# KiCad board alu_c.kicad_pcb
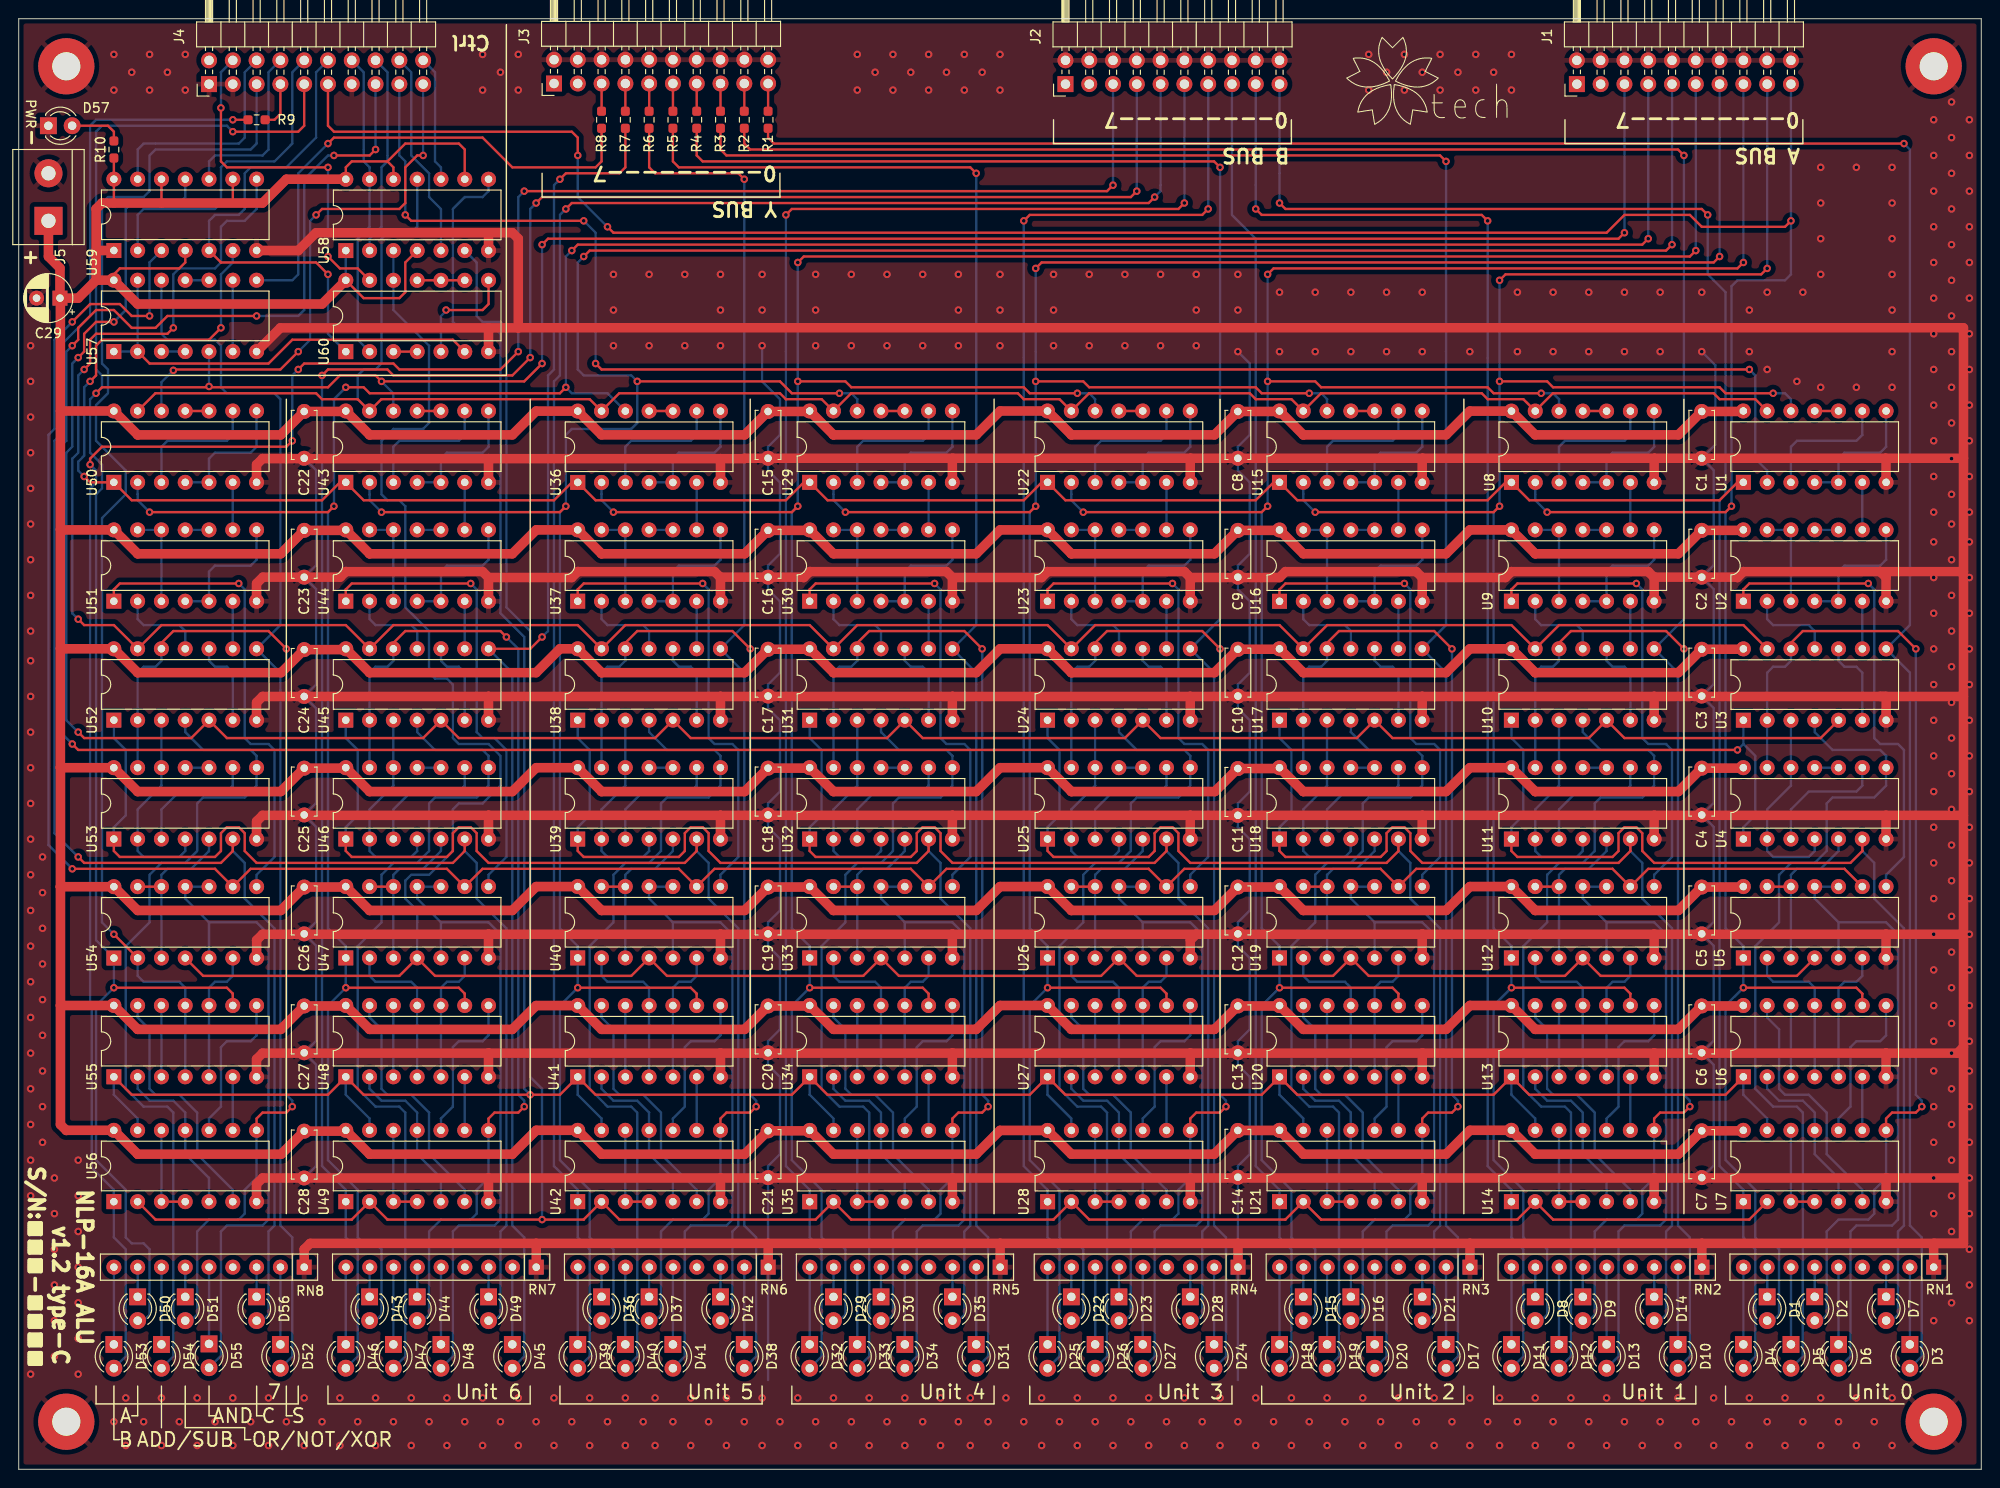
[diagram p0: board, top side]
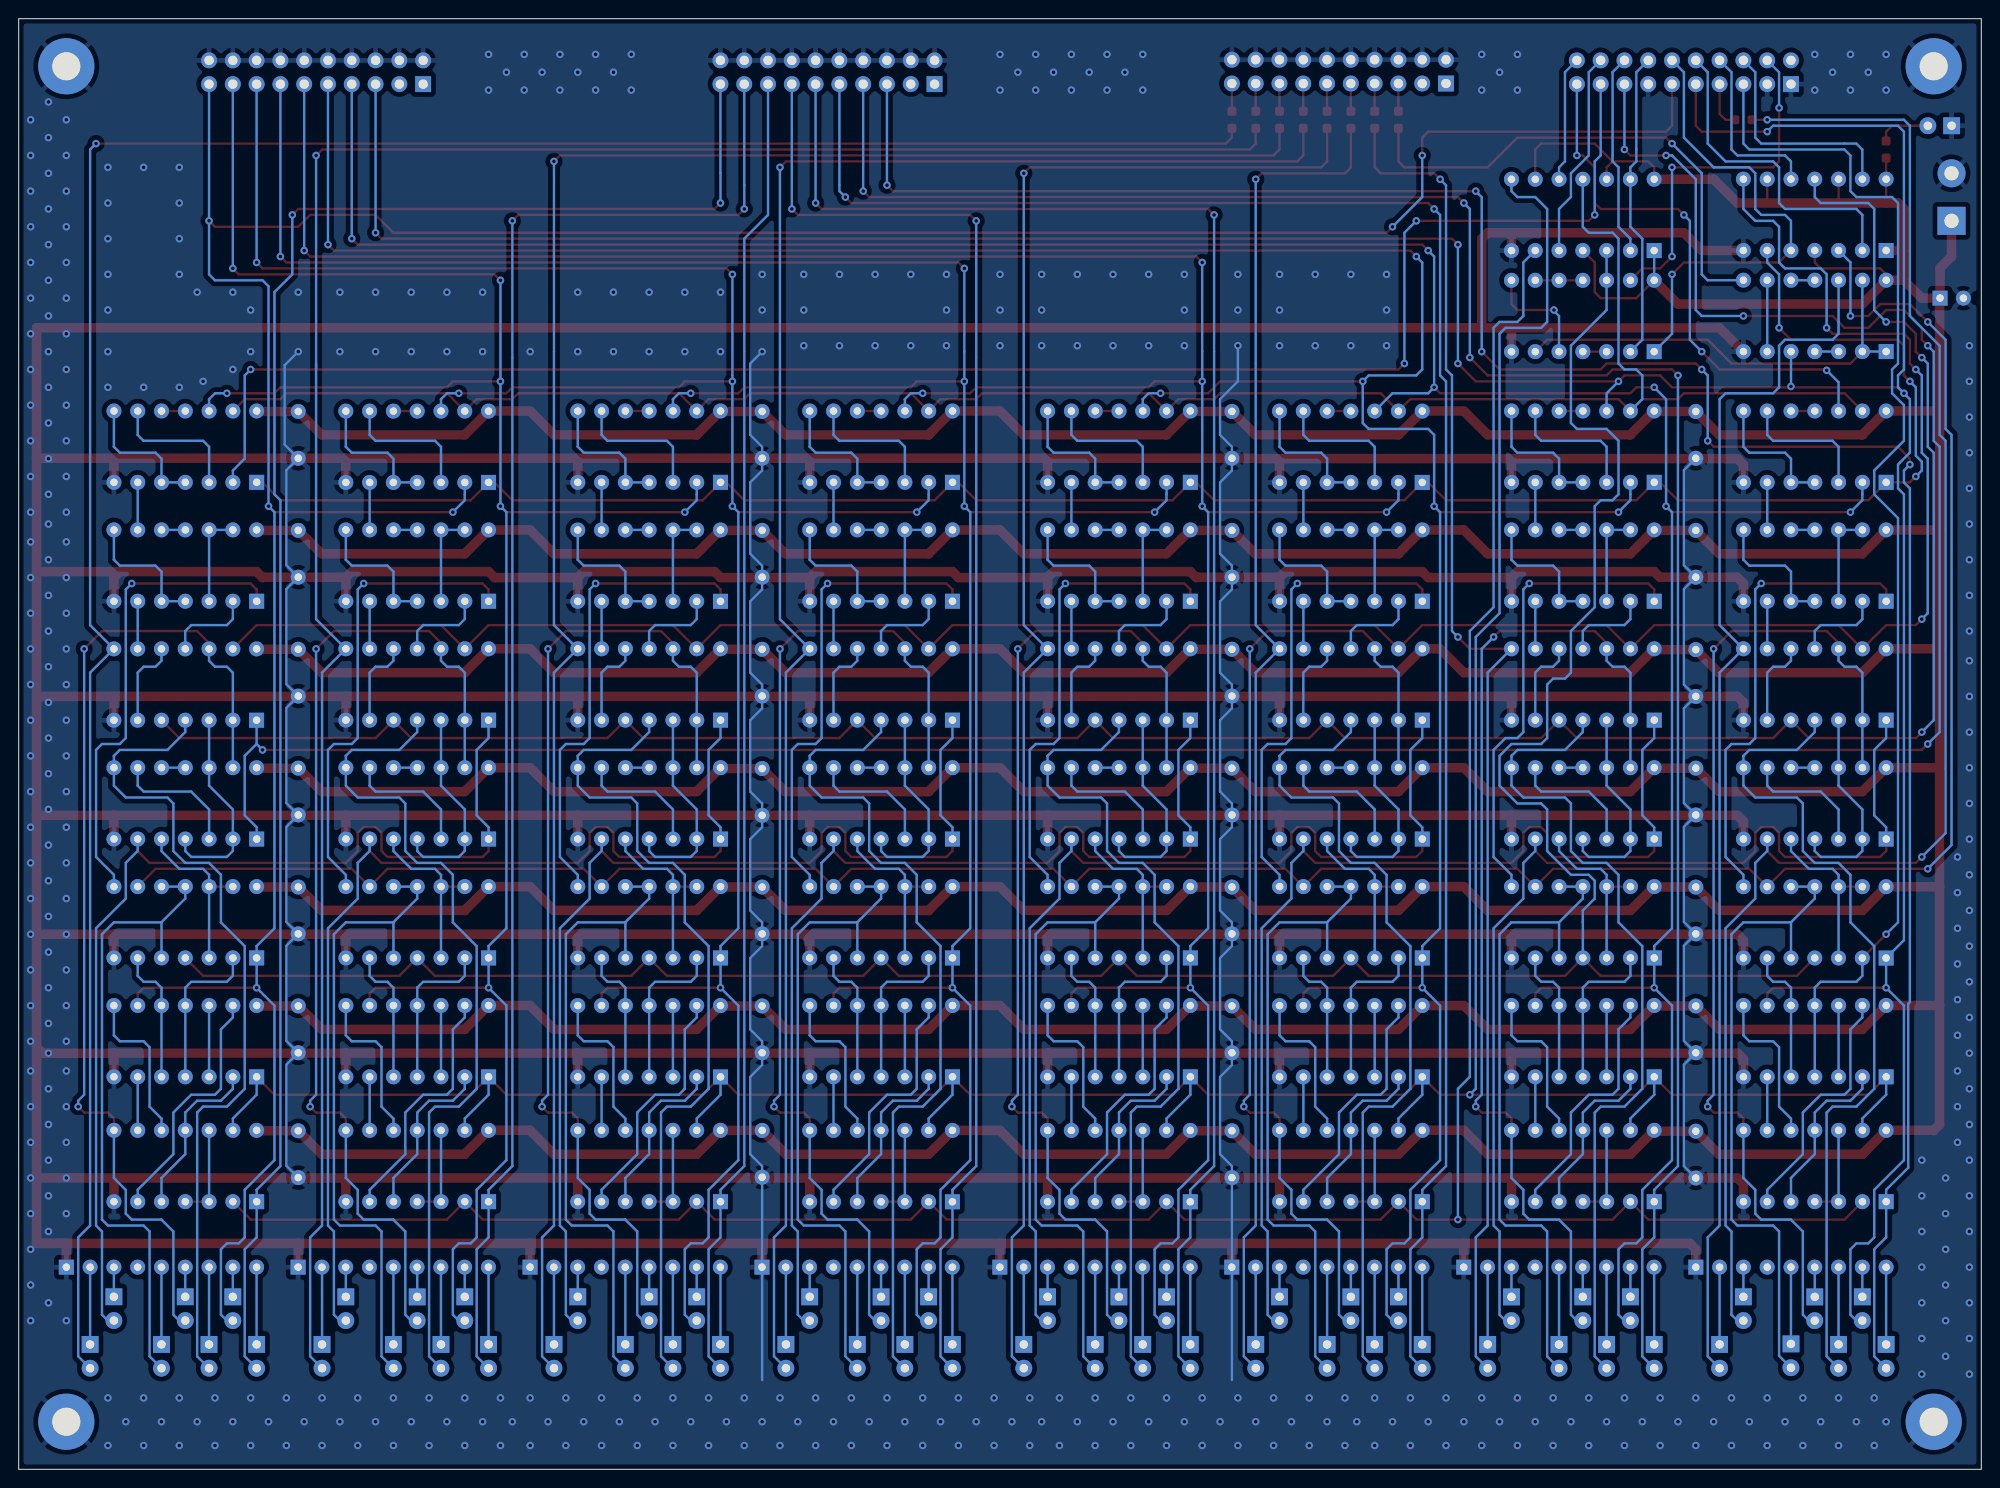
[diagram p1: board, bottom side, seen from below]

Outline 209.55 x 154.94 mm; copper layers: Top, Bottom. Coordinates in mm from the lower left corner of the outline.
Outline path: 0,154.94 0,0 209.55,0 209.55,154.94 0,154.94
Stack: Top 0.035mm / dielectric 1.51mm FR4 er 4.5 / Bottom 0.035mm

## Placement (name value [footprint] x y rotation side)
C1  0.1u  [C_Disc_D5.0mm_W2.5mm_P5.00mm]  179.7 107.99 90 top
C2  0.1u  [C_Disc_D5.0mm_W2.5mm_P5.00mm]  179.7 95.29 90 top
C3  0.1u  [C_Disc_D5.0mm_W2.5mm_P5.00mm]  179.7 82.59 90 top
C4  0.1u  [C_Disc_D5.0mm_W2.5mm_P5.00mm]  179.7 69.89 90 top
C5  0.1u  [C_Disc_D5.0mm_W2.5mm_P5.00mm]  179.7 57.19 90 top
C6  0.1u  [C_Disc_D5.0mm_W2.5mm_P5.00mm]  179.7 44.49 90 top
C7  0.1u  [C_Disc_D5.0mm_W2.5mm_P5.00mm]  179.7 31.16 90 top
C8  0.1u  [C_Disc_D5.0mm_W2.5mm_P5.00mm]  130.17 107.99 90 top
C9  0.1u  [C_Disc_D5.0mm_W2.5mm_P5.00mm]  130.17 95.29 90 top
C10  0.1u  [C_Disc_D5.0mm_W2.5mm_P5.00mm]  130.17 82.59 90 top
C11  0.1u  [C_Disc_D5.0mm_W2.5mm_P5.00mm]  130.17 69.85 90 top
C12  0.1u  [C_Disc_D5.0mm_W2.5mm_P5.00mm]  130.17 57.19 90 top
C13  0.1u  [C_Disc_D5.0mm_W2.5mm_P5.00mm]  130.17 44.49 90 top
C14  0.1u  [C_Disc_D5.0mm_W2.5mm_P5.00mm]  130.17 31.19 90 top
C15  0.1u  [C_Disc_D5.0mm_W2.5mm_P5.00mm]  80.01 107.99 90 top
C16  0.1u  [C_Disc_D5.0mm_W2.5mm_P5.00mm]  80.01 95.29 90 top
C17  0.1u  [C_Disc_D5.0mm_W2.5mm_P5.00mm]  80.01 82.59 90 top
C18  0.1u  [C_Disc_D5.0mm_W2.5mm_P5.00mm]  80.01 69.89 90 top
C19  0.1u  [C_Disc_D5.0mm_W2.5mm_P5.00mm]  80.01 57.19 90 top
C20  0.1u  [C_Disc_D5.0mm_W2.5mm_P5.00mm]  80.01 44.49 90 top
C21  0.1u  [C_Disc_D5.0mm_W2.5mm_P5.00mm]  80.01 31.16 90 top
C22  0.1u  [C_Disc_D5.0mm_W2.5mm_P5.00mm]  30.48 107.99 90 top
C23  0.1u  [C_Disc_D5.0mm_W2.5mm_P5.00mm]  30.48 95.29 90 top
C24  0.1u  [C_Disc_D5.0mm_W2.5mm_P5.00mm]  30.48 82.55 90 top
C25  0.1u  [C_Disc_D5.0mm_W2.5mm_P5.00mm]  30.48 69.89 90 top
C26  0.1u  [C_Disc_D5.0mm_W2.5mm_P5.00mm]  30.48 57.19 90 top
C27  0.1u  [C_Disc_D5.0mm_W2.5mm_P5.00mm]  30.48 44.49 90 top
C28  0.1u  [C_Disc_D5.0mm_W2.5mm_P5.00mm]  30.48 31.12 90 top
C29  100u  [CP_Radial_D5.0mm_P2.50mm]  4.41 125.09 180 top
D1  LED  [LED_D3.0mm]  186.69 18.42 270 top
D2  LED  [LED_D3.0mm]  191.77 18.43 270 top
D3  LED  [LED_D3.0mm]  201.93 13.34 270 top
D4  LED  [LED_D3.0mm]  184.15 13.34 270 top
D5  LED  [LED_D3.0mm]  189.23 13.34 270 top
D6  LED  [LED_D3.0mm]  194.31 13.34 270 top
D7  LED  [LED_D3.0mm]  199.39 18.43 270 top
D8  LED  [LED_D3.0mm]  161.92 18.42 270 top
D9  LED  [LED_D3.0mm]  167 18.41 270 top
D10  LED  [LED_D3.0mm]  177.16 13.34 270 top
D11  LED  [LED_D3.0mm]  159.38 13.34 270 top
D12  LED  [LED_D3.0mm]  164.47 13.34 270 top
D13  LED  [LED_D3.0mm]  169.54 13.34 270 top
D14  LED  [LED_D3.0mm]  174.62 18.42 270 top
D15  LED  [LED_D3.0mm]  137.16 18.42 270 top
D16  LED  [LED_D3.0mm]  142.24 18.42 270 top
D17  LED  [LED_D3.0mm]  152.4 13.34 270 top
D18  LED  [LED_D3.0mm]  134.62 13.34 270 top
D19  LED  [LED_D3.0mm]  139.7 13.34 270 top
D20  LED  [LED_D3.0mm]  144.78 13.34 270 top
D21  LED  [LED_D3.0mm]  149.86 18.42 270 top
D22  LED  [LED_D3.0mm]  112.39 18.42 270 top
D23  LED  [LED_D3.0mm]  117.47 18.41 270 top
D24  LED  [LED_D3.0mm]  127.63 13.34 270 top
D25  LED  [LED_D3.0mm]  109.85 13.34 270 top
D26  LED  [LED_D3.0mm]  114.94 13.34 270 top
D27  LED  [LED_D3.0mm]  120.01 13.34 270 top
D28  LED  [LED_D3.0mm]  125.09 18.42 270 top
D29  LED  [LED_D3.0mm]  87 18.41 270 top
D30  LED  [LED_D3.0mm]  92.07 18.41 270 top
D31  LED  [LED_D3.0mm]  102.23 13.34 270 top
D32  LED  [LED_D3.0mm]  84.46 13.34 270 top
D33  LED  [LED_D3.0mm]  89.53 13.34 270 top
D34  LED  [LED_D3.0mm]  94.61 13.34 270 top
D35  LED  [LED_D3.0mm]  99.69 18.42 270 top
D36  LED  [LED_D3.0mm]  62.23 18.42 270 top
D37  LED  [LED_D3.0mm]  67.31 18.41 270 top
D38  LED  [LED_D3.0mm]  77.47 13.34 270 top
D39  LED  [LED_D3.0mm]  59.69 13.34 270 top
D40  LED  [LED_D3.0mm]  64.77 13.34 270 top
D41  LED  [LED_D3.0mm]  69.85 13.34 270 top
D42  LED  [LED_D3.0mm]  74.93 18.42 270 top
D43  LED  [LED_D3.0mm]  37.46 18.42 270 top
D44  LED  [LED_D3.0mm]  42.54 18.42 270 top
D45  LED  [LED_D3.0mm]  52.71 13.34 270 top
D46  LED  [LED_D3.0mm]  34.93 13.34 270 top
D47  LED  [LED_D3.0mm]  40.01 13.34 270 top
D48  LED  [LED_D3.0mm]  45.09 13.34 270 top
D49  LED  [LED_D3.0mm]  50.16 18.41 270 top
D50  LED  [LED_D3.0mm]  12.7 18.42 270 top
D51  LED  [LED_D3.0mm]  17.78 18.41 270 top
D52  LED  [LED_D3.0mm]  27.94 13.34 270 top
D53  LED  [LED_D3.0mm]  10.16 13.34 270 top
D54  LED  [LED_D3.0mm]  15.24 13.34 270 top
D55  LED  [LED_D3.0mm]  20.32 13.39 270 top
D56  LED  [LED_D3.0mm]  25.4 18.42 270 top
D57  LED  [LED_D3.0mm]  3.16 143.51 0 top
G***  -  [LOGO]  151.13 147.95 0 top
H1  MountingHole_Pad  [MountingHole_3mm_Pad]  5.08 149.86 0 top
H2  MountingHole_Pad  [MountingHole_3mm_Pad]  204.47 149.86 0 top
H3  MountingHole_Pad  [MountingHole_3mm_Pad]  5.08 5.08 0 top
H4  MountingHole_Pad  [MountingHole_3mm_Pad]  204.47 5.08 0 top
J1  Conn_02x10_Counter_Clockwise  [PinHeader_2x10_P2.54mm_Horizontal]  166.37 147.95 90 top
J2  Conn_02x10_Counter_Clockwise  [PinHeader_2x10_P2.54mm_Horizontal]  111.76 147.95 90 top
J3  Conn_02x10_Counter_Clockwise  [PinHeader_2x10_P2.54mm_Horizontal]  57.16 148.02 90 top
J4  Conn_02x10_Counter_Clockwise  [PinHeader_2x10_P2.54mm_Horizontal]  20.32 147.95 90 top
J5  Screw_Terminal_01x02  [TerminalBlock_bornier-2_P5.08mm]  3.18 133.35 90 top
R1  22  [R_0603_1608Metric_Pad0.98x0.95mm_HandSolder]  80.01 144.15 270 top
R2  22  [R_0603_1608Metric_Pad0.98x0.95mm_HandSolder]  77.47 144.15 270 top
R3  22  [R_0603_1608Metric_Pad0.98x0.95mm_HandSolder]  74.93 144.15 270 top
R4  22  [R_0603_1608Metric_Pad0.98x0.95mm_HandSolder]  72.39 144.15 270 top
R5  22  [R_0603_1608Metric_Pad0.98x0.95mm_HandSolder]  69.85 144.15 270 top
R6  22  [R_0603_1608Metric_Pad0.98x0.95mm_HandSolder]  67.31 144.15 270 top
R7  22  [R_0603_1608Metric_Pad0.98x0.95mm_HandSolder]  64.77 144.15 270 top
R8  22  [R_0603_1608Metric_Pad0.98x0.95mm_HandSolder]  62.23 144.15 270 top
R9  22  [R_0603_1608Metric_Pad0.98x0.95mm_HandSolder]  25.4 144.15 0 top
R10  470  [R_0603_1608Metric_Pad0.98x0.95mm_HandSolder]  10.16 140.97 90 top
RN1  R_Network08  [R_Array_SIP9]  204.47 21.59 180 top
RN2  R_Network08  [R_Array_SIP9]  179.72 21.59 180 top
RN3  R_Network08  [R_Array_SIP9]  154.95 21.59 180 top
RN4  R_Network08  [R_Array_SIP9]  130.19 21.59 180 top
RN5  R_Network08  [R_Array_SIP9]  104.79 21.59 180 top
RN6  R_Network08  [R_Array_SIP9]  80.03 21.59 180 top
RN7  R_Network08  [R_Array_SIP9]  55.26 21.59 180 top
RN8  R_Network08  [R_Array_SIP9]  30.48 21.59 180 top
U1  CD74HC00  [DIP-14_W7.62mm]  184.14 105.42 90 top
U2  CD74HC00  [DIP-14_W7.62mm]  184.14 92.72 90 top
U3  CD74HC00  [DIP-14_W7.62mm]  184.15 80.01 90 top
U4  CD74HC00  [DIP-14_W7.62mm]  184.14 67.32 90 top
U5  CD74HC00  [DIP-14_W7.62mm]  184.14 54.62 90 top
U6  CD74HC00  [DIP-14_W7.62mm]  184.14 41.92 90 top
U7  CD74HC00  [DIP-14_W7.62mm]  184.14 28.59 90 top
U8  CD74HC00  [DIP-14_W7.62mm]  159.38 105.41 90 top
U9  CD74HC00  [DIP-14_W7.62mm]  159.38 92.72 90 top
U10  CD74HC00  [DIP-14_W7.62mm]  159.38 80.02 90 top
U11  CD74HC00  [DIP-14_W7.62mm]  159.38 67.32 90 top
U12  CD74HC00  [DIP-14_W7.62mm]  159.38 54.62 90 top
U13  CD74HC00  [DIP-14_W7.62mm]  159.38 41.92 90 top
U14  CD74HC00  [DIP-14_W7.62mm]  159.38 28.59 90 top
U15  CD74HC00  [DIP-14_W7.62mm]  134.61 105.42 90 top
U16  CD74HC00  [DIP-14_W7.62mm]  134.62 92.71 90 top
U17  CD74HC00  [DIP-14_W7.62mm]  134.61 80.02 90 top
U18  CD74HC00  [DIP-14_W7.62mm]  134.61 67.32 90 top
U19  CD74HC00  [DIP-14_W7.62mm]  134.61 54.62 90 top
U20  CD74HC00  [DIP-14_W7.62mm]  134.62 41.91 90 top
U21  CD74HC00  [DIP-14_W7.62mm]  134.62 28.59 90 top
U22  CD74HC00  [DIP-14_W7.62mm]  109.85 105.42 90 top
U23  CD74HC00  [DIP-14_W7.62mm]  109.85 92.72 90 top
U24  CD74HC00  [DIP-14_W7.62mm]  109.85 80.02 90 top
U25  CD74HC00  [DIP-14_W7.62mm]  109.85 67.32 90 top
U26  CD74HC00  [DIP-14_W7.62mm]  109.85 54.62 90 top
U27  CD74HC00  [DIP-14_W7.62mm]  109.85 41.92 90 top
U28  CD74HC00  [DIP-14_W7.62mm]  109.85 28.57 90 top
U29  CD74HC00  [DIP-14_W7.62mm]  84.45 105.42 90 top
U30  CD74HC00  [DIP-14_W7.62mm]  84.45 92.72 90 top
U31  CD74HC00  [DIP-14_W7.62mm]  84.45 80.02 90 top
U32  CD74HC00  [DIP-14_W7.62mm]  84.45 67.32 90 top
U33  CD74HC00  [DIP-14_W7.62mm]  84.45 54.62 90 top
U34  CD74HC00  [DIP-14_W7.62mm]  84.45 41.92 90 top
U35  CD74HC00  [DIP-14_W7.62mm]  84.46 28.57 90 top
U36  CD74HC00  [DIP-14_W7.62mm]  59.69 105.41 90 top
U37  CD74HC00  [DIP-14_W7.62mm]  59.68 92.72 90 top
U38  CD74HC00  [DIP-14_W7.62mm]  59.68 80.02 90 top
U39  CD74HC00  [DIP-14_W7.62mm]  59.68 67.32 90 top
U40  CD74HC00  [DIP-14_W7.62mm]  59.68 54.62 90 top
U41  CD74HC00  [DIP-14_W7.62mm]  59.69 41.91 90 top
U42  CD74HC00  [DIP-14_W7.62mm]  59.68 28.59 90 top
U43  CD74HC00  [DIP-14_W7.62mm]  34.92 105.42 90 top
U44  CD74HC00  [DIP-14_W7.62mm]  34.92 92.72 90 top
U45  CD74HC00  [DIP-14_W7.62mm]  34.92 80.02 90 top
U46  CD74HC00  [DIP-14_W7.62mm]  34.92 67.32 90 top
U47  CD74HC00  [DIP-14_W7.62mm]  34.92 54.62 90 top
U48  CD74HC00  [DIP-14_W7.62mm]  34.92 41.92 90 top
U49  CD74HC00  [DIP-14_W7.62mm]  34.92 28.59 90 top
U50  CD74HC00  [DIP-14_W7.62mm]  10.16 105.42 90 top
U51  CD74HC00  [DIP-14_W7.62mm]  10.16 92.72 90 top
U52  CD74HC00  [DIP-14_W7.62mm]  10.16 80.02 90 top
U53  CD74HC00  [DIP-14_W7.62mm]  10.16 67.32 90 top
U54  CD74HC00  [DIP-14_W7.62mm]  10.16 54.61 90 top
U55  CD74HC00  [DIP-14_W7.62mm]  10.16 41.92 90 top
U56  CD74HC00  [DIP-14_W7.62mm]  10.16 28.59 90 top
U57  CD74HC00  [DIP-14_W7.62mm]  10.16 119.39 90 top
U58  CD74HC00  [DIP-14_W7.62mm]  34.93 130.18 90 top
U59  CD74HC00  [DIP-14_W7.62mm]  10.16 130.19 90 top
U60  CD74HC00  [DIP-14_W7.62mm]  34.93 119.38 90 top

## Footprints (pads in the part's own frame, mm; a bottom-side part is the same pattern mirrored in y, then rotated)
C_Disc_D5.0mm_W2.5mm_P5.00mm
  round 1.6 hole 0.8: 1(0,0) 2(5,0)
CP_Radial_D5.0mm_P2.50mm
  rect 1.6x1.6 hole 0.8: 1(0,0)
  round 1.6 hole 0.8: 2(2.5,0)
DIP-14_W7.62mm
  rect 1.6x1.6 hole 0.8: 1(0,0)
  oval 1.6x1.6 hole 0.8: 2(0,-2.54) 3(0,-5.08) 4(0,-7.62) 5(0,-10.16) 6(0,-12.7) 7(0,-15.24) 8(7.62,-15.24) 9(7.62,-12.7) 10(7.62,-10.16) 11(7.62,-7.62) 12(7.62,-5.08) 13(7.62,-2.54) 14(7.62,0)
LED_D3.0mm
  rect 1.8x1.8 hole 0.9: 1(0,0)
  round 1.8 hole 0.9: 2(2.54,0)
MountingHole_3mm_Pad
  round 6 hole 3: 1(0,0)
PinHeader_2x10_P2.54mm_Horizontal
  rect 1.7x1.7 hole 1: 1(0,0)
  oval 1.7x1.7 hole 1: 2(2.54,0) 3(0,-2.54) 4(2.54,-2.54) 5(0,-5.08) 6(2.54,-5.08) 7(0,-7.62) 8(2.54,-7.62) 9(0,-10.16) 10(2.54,-10.16) 11(0,-12.7) 12(2.54,-12.7) 13(0,-15.24) 14(2.54,-15.24) 15(0,-17.78) 16(2.54,-17.78) 17(0,-20.32) 18(2.54,-20.32) 19(0,-22.86) 20(2.54,-22.86)
R_0603_1608Metric_Pad0.98x0.95mm_HandSolder
  rrect 0.975x0.95 smd: 1(-0.912,0) 2(0.912,0)
R_Array_SIP9
  rect 1.6x1.6 hole 0.8: 1(0,0)
  oval 1.6x1.6 hole 0.8: 2(2.54,0) 3(5.08,0) 4(7.62,0) 5(10.16,0) 6(12.7,0) 7(15.24,0) 8(17.78,0) 9(20.32,0)
TerminalBlock_bornier-2_P5.08mm
  rect 3x3 hole 1.52: 1(0,0)
  round 3 hole 1.52: 2(5.08,0)

## Nets
GND: C1.1 C2.1 C3.1 C4.1 C5.1 C6.1 C7.1 C8.1 C9.1 C10.1 C11.1 C12.1 C13.1 C14.1 C15.1 C16.1 C17.1 C18.1 C19.1 C20.1 C21.1 C22.1 C23.1 C24.1 C25.1 C26.1 C27.1 C28.1 C29.2 D57.1 H1.1 H2.1 H3.1 H4.1 J1.2 J1.4 J1.6 J1.8 J1.10 J1.12 J1.14 J1.16 J1.18 J1.20 J2.2 J2.4 J2.6 J2.8 J2.10 J2.12 J2.14 J2.16 J2.18 J2.20 J3.2 J3.4 J3.6 J3.8 J3.10 J3.12 J3.14 J3.16 J3.18 J3.20 J4.1 J4.3 J4.13 J5.2 RN1.1 RN2.1 RN3.1 RN4.1 RN5.1 RN6.1 RN7.1 RN8.1 U1.7 U2.7 U3.7 U4.7 U5.7 U6.7 U7.7 U8.7 U9.7 U10.7 U11.7 U12.7 U13.7 U14.7 U15.7 U16.7 U17.7 U18.7 U19.7 U20.7 U21.7 U22.7 U23.7 U24.7 U25.7 U26.7 U27.7 U28.7 U29.7 U30.7 U31.7 U32.7 U33.7 U34.7 U35.7 U36.7 U37.7 U38.7 U39.7 U40.7 U41.7 U42.7 U43.7 U44.7 U45.7 U46.7 U47.7 U48.7 U49.7 U50.7 U51.7 U52.7 U53.7 U54.7 U55.7 U56.7 U57.7 U58.7 U59.7 U60.7
VCC: C1.2 C2.2 C3.2 C4.2 C5.2 C6.2 C7.2 C8.2 C9.2 C10.2 C11.2 C12.2 C13.2 C14.2 C15.2 C16.2 C17.2 C18.2 C19.2 C20.2 C21.2 C22.2 C23.2 C24.2 C25.2 C26.2 C27.2 C28.2 C29.1 J5.1 R10.1 U1.14 U2.14 U3.14 U4.14 U5.14 U6.14 U7.14 U8.14 U9.14 U10.14 U11.14 U12.14 U13.14 U14.14 U15.14 U16.14 U17.14 U18.14 U19.14 U20.14 U21.14 U22.14 U23.14 U24.14 U25.14 U26.14 U27.14 U28.14 U29.14 U30.14 U31.14 U32.14 U33.14 U34.14 U35.14 U36.14 U37.14 U38.14 U39.14 U40.14 U41.14 U42.14 U43.14 U44.14 U45.14 U46.14 U47.14 U48.14 U49.14 U50.14 U51.14 U52.14 U53.14 U54.14 U55.14 U56.14 U57.14 U58.1 U58.4 U58.9 U58.12 U58.14 U59.1 U59.4 U59.9 U59.12 U59.14 U60.14
/ALUv7-No.1/ADD/SUB: D5.2 U3.4 U4.8
/ALUv7-No.1/AND: D6.2 U5.5 U5.10 U5.11
/ALUv7-No.1/B_sign: U5.2 U6.4 U6.11
/ALUv7-No.1/carry_out: D7.2 U4.6 U10.1 U11.1
/ALUv7-No.1/OR/NOT/XOR: D2.2 U3.2 U3.12 U4.13 U7.8
/ALUv7-No.2/ADD/SUB: D12.2 U10.4 U11.8
/ALUv7-No.2/AND: D13.2 U12.5 U12.10 U12.11
/ALUv7-No.2/B_sign: U12.2 U13.4 U13.11
/ALUv7-No.2/carry_out: D14.2 U11.6 U17.1 U18.1
/ALUv7-No.2/OR/NOT/XOR: D9.2 U10.2 U10.12 U11.13 U14.8
/ALUv7-No.3/ADD/SUB: D19.2 U17.4 U18.8
/ALUv7-No.3/AND: D20.2 U19.5 U19.10 U19.11
/ALUv7-No.3/B_sign: U19.2 U20.4 U20.11
/ALUv7-No.3/carry_out: D21.2 U18.6 U24.1 U25.1
/ALUv7-No.3/OR/NOT/XOR: D16.2 U17.2 U17.12 U18.13 U21.8
/ALUv7-No.4/ADD/SUB: D26.2 U24.4 U25.8
/ALUv7-No.4/AND: D27.2 U26.5 U26.10 U26.11
/ALUv7-No.4/B_sign: U26.2 U27.4 U27.11
/ALUv7-No.4/carry_out: D28.2 U25.6 U31.1 U32.1
/ALUv7-No.4/OR/NOT/XOR: D23.2 U24.2 U24.12 U25.13 U28.8
/ALUv7-No.5/ADD/SUB: D33.2 U31.4 U32.8
/ALUv7-No.5/AND: D34.2 U33.5 U33.10 U33.11
/ALUv7-No.5/B_sign: U33.2 U34.4 U34.11
/ALUv7-No.5/carry_out: D35.2 U32.6 U38.1 U39.1
/ALUv7-No.5/OR/NOT/XOR: D30.2 U31.2 U31.12 U32.13 U35.8
/ALUv7-No.6/ADD/SUB: D40.2 U38.4 U39.8
/ALUv7-No.6/AND: D41.2 U40.5 U40.10 U40.11
/ALUv7-No.6/B_sign: U40.2 U41.4 U41.11
/ALUv7-No.6/carry_out: D42.2 U39.6 U45.1 U46.1
/ALUv7-No.6/OR/NOT/XOR: D37.2 U38.2 U38.12 U39.13 U42.8
/ALUv7-No.7/ADD/SUB: D47.2 U45.4 U46.8
/ALUv7-No.7/AND: D48.2 U47.5 U47.10 U47.11
/ALUv7-No.7/B_sign: U47.2 U48.4 U48.11
/ALUv7-No.7/carry_out: D49.2 U46.6 U52.1 U53.1
/ALUv7-No.7/OR/NOT/XOR: D44.2 U45.2 U45.12 U46.13 U49.8
/ALUv7-No.8/ADD/SUB: D54.2 U52.4 U53.8
/ALUv7-No.8/AND: D55.2 U54.5 U54.10 U54.11
/ALUv7-No.8/OR/NOT/XOR: D51.2 U52.2 U52.12 U53.13 U56.8
/ALUv7-No.8/Y: D52.2 U52.8 U57.12
A0: D1.2 J1.19 J4.11 U5.1 U6.9 U8.2
A1: D8.2 J1.17 U1.12 U12.1 U13.9 U15.2
A2: D15.2 J1.15 U8.12 U19.1 U20.9 U22.2
A3: D22.2 J1.13 U15.12 U26.1 U27.9 U29.2
A4: D29.2 J1.11 U22.12 U33.1 U34.9 U36.2
A5: D36.2 J1.9 U29.12 U40.1 U41.9 U43.2
A6: D43.2 J1.7 U36.12 U47.1 U48.9 U50.2
A7: D50.2 J1.5 J4.9 U43.12 U54.1 U55.9 U57.5
B0: D4.2 J2.19 U7.1
B1: D11.2 J2.17 U14.1
B2: D18.2 J2.15 U21.1
B3: D25.2 J2.13 U28.1
B4: D32.2 J2.11 U35.1
B5: D39.2 J2.9 U42.1
B6: D46.2 J2.7 U49.1
B7: D53.2 J2.5 U56.1
B_sign: J4.5 U54.2 U55.4 U55.11
Cin: J4.15 U3.1 U4.1
Cout: D56.2 R9.1 U53.6
Lin: J4.17 U1.2
mode1: U6.1 U7.13 U13.1 U14.13 U20.1 U21.13 U27.1 U28.13 U34.1 U35.13 U41.1 U42.13 U48.1 U49.13 U55.1 U56.13 U58.8
mode1_in: J4.20 U58.10
mode2: U7.2 U14.2 U21.2 U28.2 U35.2 U42.2 U49.2 U56.2 U58.6
mode2_in: J4.18 U58.5
mode3: U5.4 U12.4 U19.4 U26.4 U33.4 U40.4 U47.4 U54.4 U58.3 U60.12
mode3_in: J4.16 U58.2
MSO: J4.4 U60.13
Rin: J4.19 U50.12
SA: U57.1 U57.2 U57.13 U60.6
select_ADD/SUB: U3.5 U10.5 U17.5 U24.5 U31.5 U38.5 U45.5 U52.5 U59.11
select_ADD/SUB_in: J4.6 U59.13
select_AND: U5.9 U12.9 U19.9 U26.9 U33.9 U40.9 U47.9 U54.9 U59.3
select_AND/A_in: J4.10 U59.2
select_L: U1.1 U8.1 U15.1 U22.1 U29.1 U36.1 U43.1 U50.1 U59.6
select_L_in: J4.12 U59.5 U60.1
select_OR/NOT/XOR: U3.13 U10.13 U17.13 U24.13 U31.13 U38.13 U45.13 U52.13 U59.8
select_OR/NOT/XOR_in: J4.8 U59.10
select_R: U1.13 U8.13 U15.13 U22.13 U29.13 U36.13 U43.13 U50.13 U58.11
select_R_in: J4.14 U58.13 U60.2
Y0: D3.2 R1.2 U3.8
Y1: D10.2 R2.2 U10.8
Y2: D17.2 R3.2 U17.8
Y3: D24.2 R4.2 U24.8
Y4: D31.2 R5.2 U31.8
Y5: D38.2 R6.2 U38.8
Y6: D45.2 R7.2 U45.8
Y7: R8.2 U57.8
Net-(D1-Pad1): D1.1 RN1.8
Net-(D2-Pad1): D2.1 RN1.6
Net-(D3-Pad1): D3.1 RN1.2
Net-(D4-Pad1): D4.1 RN1.9
Net-(D5-Pad1): D5.1 RN1.7
Net-(D6-Pad1): D6.1 RN1.5
Net-(D7-Pad1): D7.1 RN1.3
Net-(D8-Pad1): D8.1 RN2.8
Net-(D9-Pad1): D9.1 RN2.6
Net-(D10-Pad1): D10.1 RN2.2
Net-(D11-Pad1): D11.1 RN2.9
Net-(D12-Pad1): D12.1 RN2.7
Net-(D13-Pad1): D13.1 RN2.5
Net-(D14-Pad1): D14.1 RN2.3
Net-(D15-Pad1): D15.1 RN3.8
Net-(D16-Pad1): D16.1 RN3.6
Net-(D17-Pad1): D17.1 RN3.2
Net-(D18-Pad1): D18.1 RN3.9
Net-(D19-Pad1): D19.1 RN3.7
Net-(D20-Pad1): D20.1 RN3.5
Net-(D21-Pad1): D21.1 RN3.3
Net-(D22-Pad1): D22.1 RN4.8
Net-(D23-Pad1): D23.1 RN4.6
Net-(D24-Pad1): D24.1 RN4.2
Net-(D25-Pad1): D25.1 RN4.9
Net-(D26-Pad1): D26.1 RN4.7
Net-(D27-Pad1): D27.1 RN4.5
Net-(D28-Pad1): D28.1 RN4.3
Net-(D29-Pad1): D29.1 RN5.8
Net-(D30-Pad1): D30.1 RN5.6
Net-(D31-Pad1): D31.1 RN5.2
Net-(D32-Pad1): D32.1 RN5.9
Net-(D33-Pad1): D33.1 RN5.7
Net-(D34-Pad1): D34.1 RN5.5
Net-(D35-Pad1): D35.1 RN5.3
Net-(D36-Pad1): D36.1 RN6.8
Net-(D37-Pad1): D37.1 RN6.6
Net-(D38-Pad1): D38.1 RN6.2
Net-(D39-Pad1): D39.1 RN6.9
Net-(D40-Pad1): D40.1 RN6.7
Net-(D41-Pad1): D41.1 RN6.5
Net-(D42-Pad1): D42.1 RN6.3
Net-(D43-Pad1): D43.1 RN7.8
Net-(D44-Pad1): D44.1 RN7.6
Net-(D45-Pad1): D45.1 RN7.2
Net-(D46-Pad1): D46.1 RN7.9
Net-(D47-Pad1): D47.1 RN7.7
Net-(D48-Pad1): D48.1 RN7.5
Net-(D49-Pad1): D49.1 RN7.3
Net-(D50-Pad1): D50.1 RN8.8
Net-(D51-Pad1): D51.1 RN8.6
Net-(D52-Pad1): D52.1 RN8.2
Net-(D53-Pad1): D53.1 RN8.9
Net-(D54-Pad1): D54.1 RN8.7
Net-(D55-Pad1): D55.1 RN8.5
Net-(D56-Pad1): D56.1 RN8.3
Net-(D57-Pad2): D57.2 R10.2
Net-(J3-Pad5): J3.5 R8.1
Net-(J3-Pad7): J3.7 R7.1
Net-(J3-Pad9): J3.9 R6.1
Net-(J3-Pad11): J3.11 R5.1
Net-(J3-Pad13): J3.13 R4.1
Net-(J3-Pad15): J3.15 R3.1
Net-(J3-Pad17): J3.17 R2.1
Net-(J3-Pad19): J3.19 R1.1
Net-(J4-Pad7): J4.7 R9.2
Net-(U1-Pad3): U1.3 U1.9
Net-(U1-Pad4): U1.4 U1.5 U1.8
Net-(U1-Pad6): U1.6 U2.9
Net-(U1-Pad10): U1.10 U1.11
Net-(U2-Pad1): U2.1 U5.8
Net-(U2-Pad2): U2.2 U3.11
Net-(U2-Pad4): U2.4 U2.5 U2.8
Net-(U2-Pad6): U2.6 U3.9
Net-(U2-Pad10): U2.10 U2.11
Net-(U2-Pad12): U2.3 U2.12 U2.13
Net-(U3-Pad3): U3.3 U4.2 U4.4 U4.12
Net-(U3-Pad10): U3.6 U3.10
Net-(U4-Pad3): U4.3 U4.9
Net-(U4-Pad5): U4.5 U5.3 U5.12 U5.13
Net-(U4-Pad10): U4.10 U4.11
Net-(U5-Pad6): U5.6 U6.5 U6.10
Net-(U6-Pad2): U6.2 U7.5 U7.11
Net-(U6-Pad6): U6.6 U7.9
Net-(U6-Pad8): U6.8 U7.10
Net-(U6-Pad12): U6.3 U6.12
Net-(U6-Pad13): U6.13 U7.6
Net-(U7-Pad12): U7.3 U7.4 U7.12
Net-(U8-Pad3): U8.3 U8.9
Net-(U8-Pad4): U8.4 U8.5 U8.8
Net-(U8-Pad6): U8.6 U9.9
Net-(U8-Pad10): U8.10 U8.11
Net-(U9-Pad4): U9.4 U9.5 U9.8
Net-(U9-Pad10): U9.10 U9.11
Net-(U9-Pad12): U9.3 U9.12 U9.13
Net-(U10-Pad3): U10.3 U11.2 U11.4 U11.12
Net-(U10-Pad9): U9.6 U10.9
Net-(U10-Pad10): U10.6 U10.10
Net-(U10-Pad11): U9.2 U10.11
Net-(U11-Pad3): U11.3 U11.9
Net-(U11-Pad5): U11.5 U12.3 U12.12 U12.13
Net-(U11-Pad10): U11.10 U11.11
Net-(U12-Pad6): U12.6 U13.5 U13.10
Net-(U12-Pad8): U9.1 U12.8
Net-(U13-Pad2): U13.2 U14.5 U14.11
Net-(U13-Pad6): U13.6 U14.9
Net-(U13-Pad8): U13.8 U14.10
Net-(U13-Pad12): U13.3 U13.12
Net-(U13-Pad13): U13.13 U14.6
Net-(U14-Pad12): U14.3 U14.4 U14.12
Net-(U15-Pad3): U15.3 U15.9
Net-(U15-Pad4): U15.4 U15.5 U15.8
Net-(U15-Pad6): U15.6 U16.9
Net-(U15-Pad10): U15.10 U15.11
Net-(U16-Pad1): U16.1 U19.8
Net-(U16-Pad2): U16.2 U17.11
Net-(U16-Pad4): U16.4 U16.5 U16.8
Net-(U16-Pad6): U16.6 U17.9
Net-(U16-Pad10): U16.10 U16.11
Net-(U16-Pad12): U16.3 U16.12 U16.13
Net-(U17-Pad3): U17.3 U18.2 U18.4 U18.12
Net-(U17-Pad10): U17.6 U17.10
Net-(U18-Pad3): U18.3 U18.9
Net-(U18-Pad5): U18.5 U19.3 U19.12 U19.13
Net-(U18-Pad10): U18.10 U18.11
Net-(U19-Pad6): U19.6 U20.5 U20.10
Net-(U20-Pad2): U20.2 U21.5 U21.11